# Altium PCB PCB MODULE AM625.PcbDoc (part 5 of 5)
Units mm, origin at the board's own origin, x right, y up, seen from the top; angles counter-clockwise.
Board outline 32.5 x 31.2 mm, 10 copper layers (Signal TOP, Ground Plane 1 (GND), Signal RAM 1, POWER 1, Signal IO 1, Signal IO 2, POWER 2, Signal RAM 2, Ground Plane 2 (GND), Signal Bottom), stack 1.563 mm thick; 228 components, 260 nets, 1274 pads, 471 vias.
Unrouted connection lines stored in the file: 1.
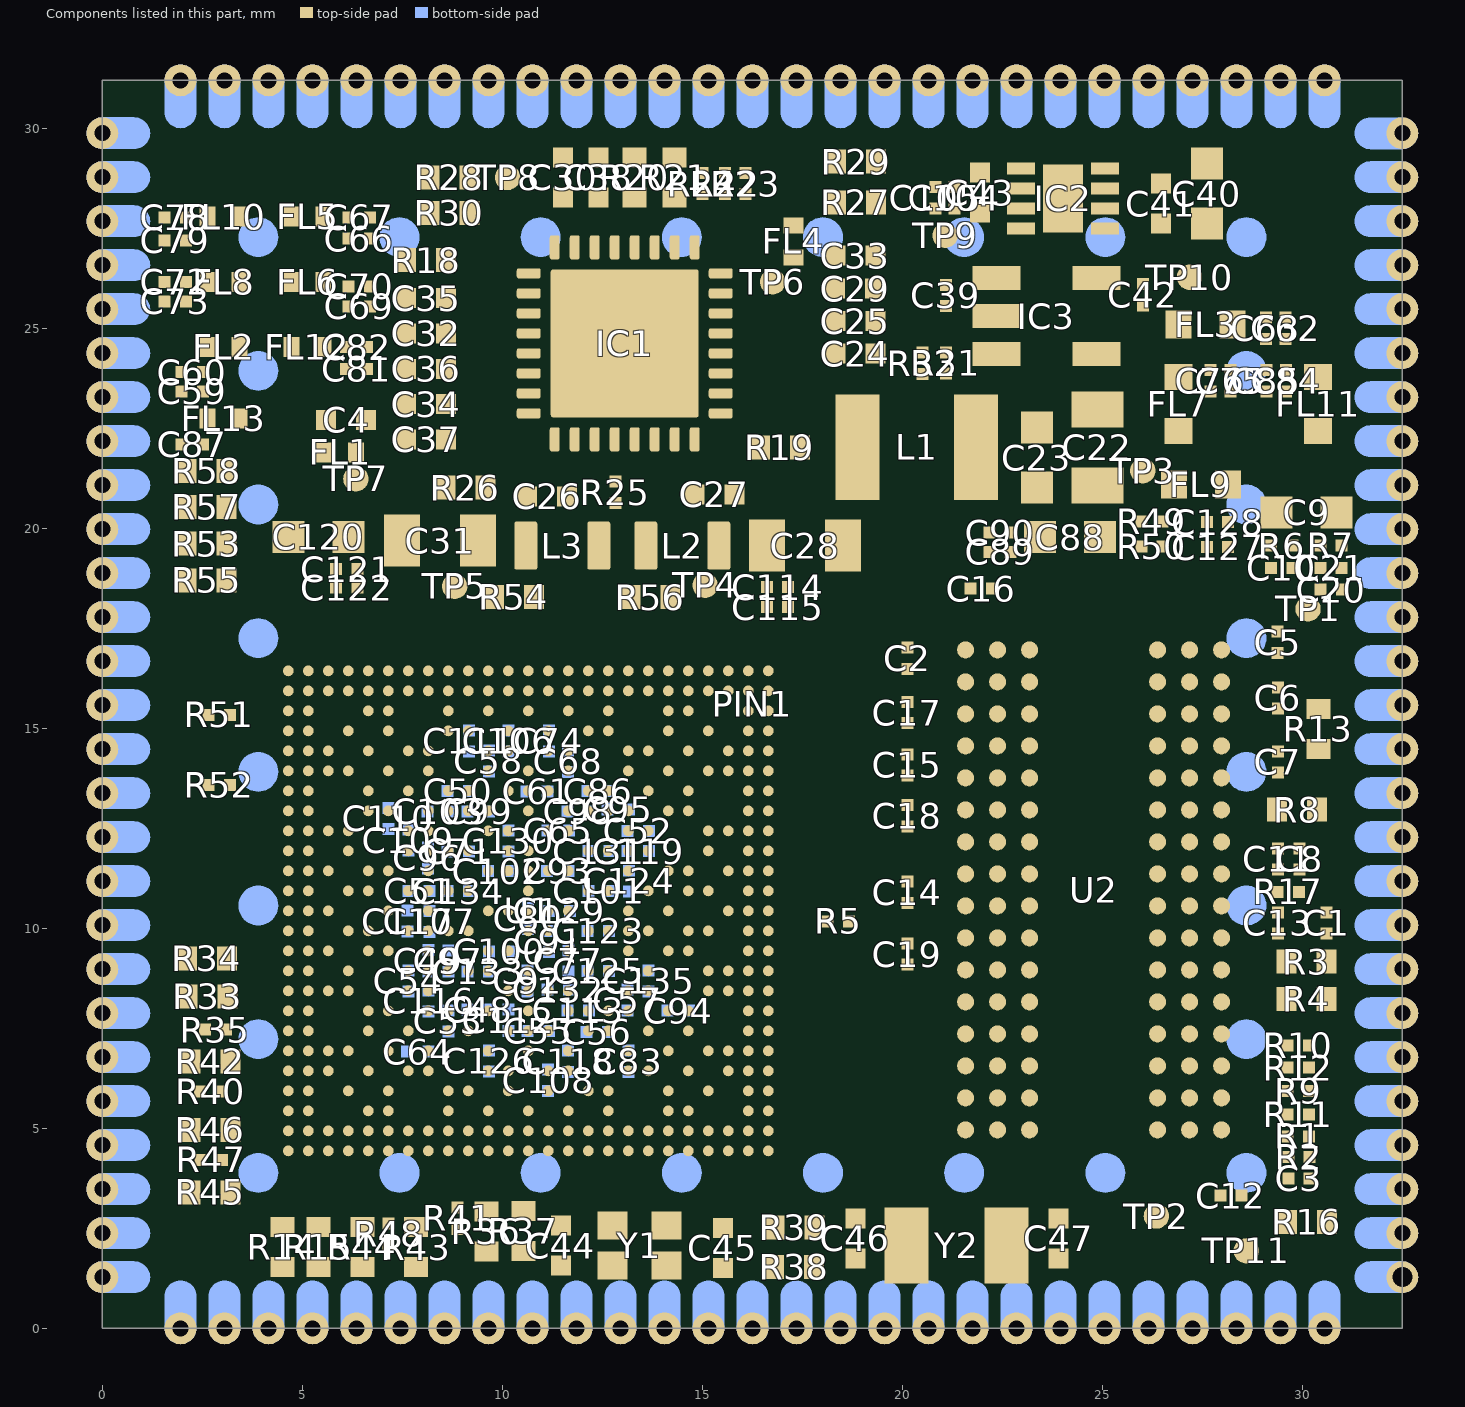
[diagram p13: the components of this part, seen from the top]

## Polygon pours and split planes (outlines as drawn) (continued)
GND on Signal Bottom "Signal Bottom-GND" (solid, pour order 99): 28.05,23.4 27.675,23.775 27.675,24.675 27.9,24.9 30.35,24.9 30.625,25.175 30.625,25.978 30.025,26.578 30.025,26.9 30.15,27.025 32.5,27.025 32.5,23.988 31.238,23.988 30.65,23.4
VCC_3V3_MAIN on Signal Bottom "VCC_3V3_MAIN_L10_P067" (solid, pour order 67): 31.546,30.35 30.719,29.523 27.947,29.523 27.091,28.667 27.091,26.93 27.404,26.617 29.241,26.617 29.903,27.279 32.5,27.279 32.5,30.35
GND on Ground Plane 1 (GND) (split plane): 31.99,0.51 0.51,0.51 0.51,30.69 31.99,30.69
GND on Ground Plane 2 (GND) (split plane): 31.99,0.51 0.51,0.51 0.51,30.69 31.99,30.69

## Keep-outs
Keep-Out Layer:
  lines w0.254: 32.5,31.2 0,31.2 0,0 32.5,0 32.5,31.2 ; 32.5,31.2 32.5,31.2

## Silkscreen, mask and mechanical layers (free items; w line width, h text height)
Top Overlay:
  lines w0.254: 0.625,0.4 1.05,0.4 0.65,0.8 0.625,0.8 0.625,0.4 ; 0.625,0.4 0.625,0.4